# Altium PCB 中子法测量土壤水分_V1.5.PcbDoc (continued)
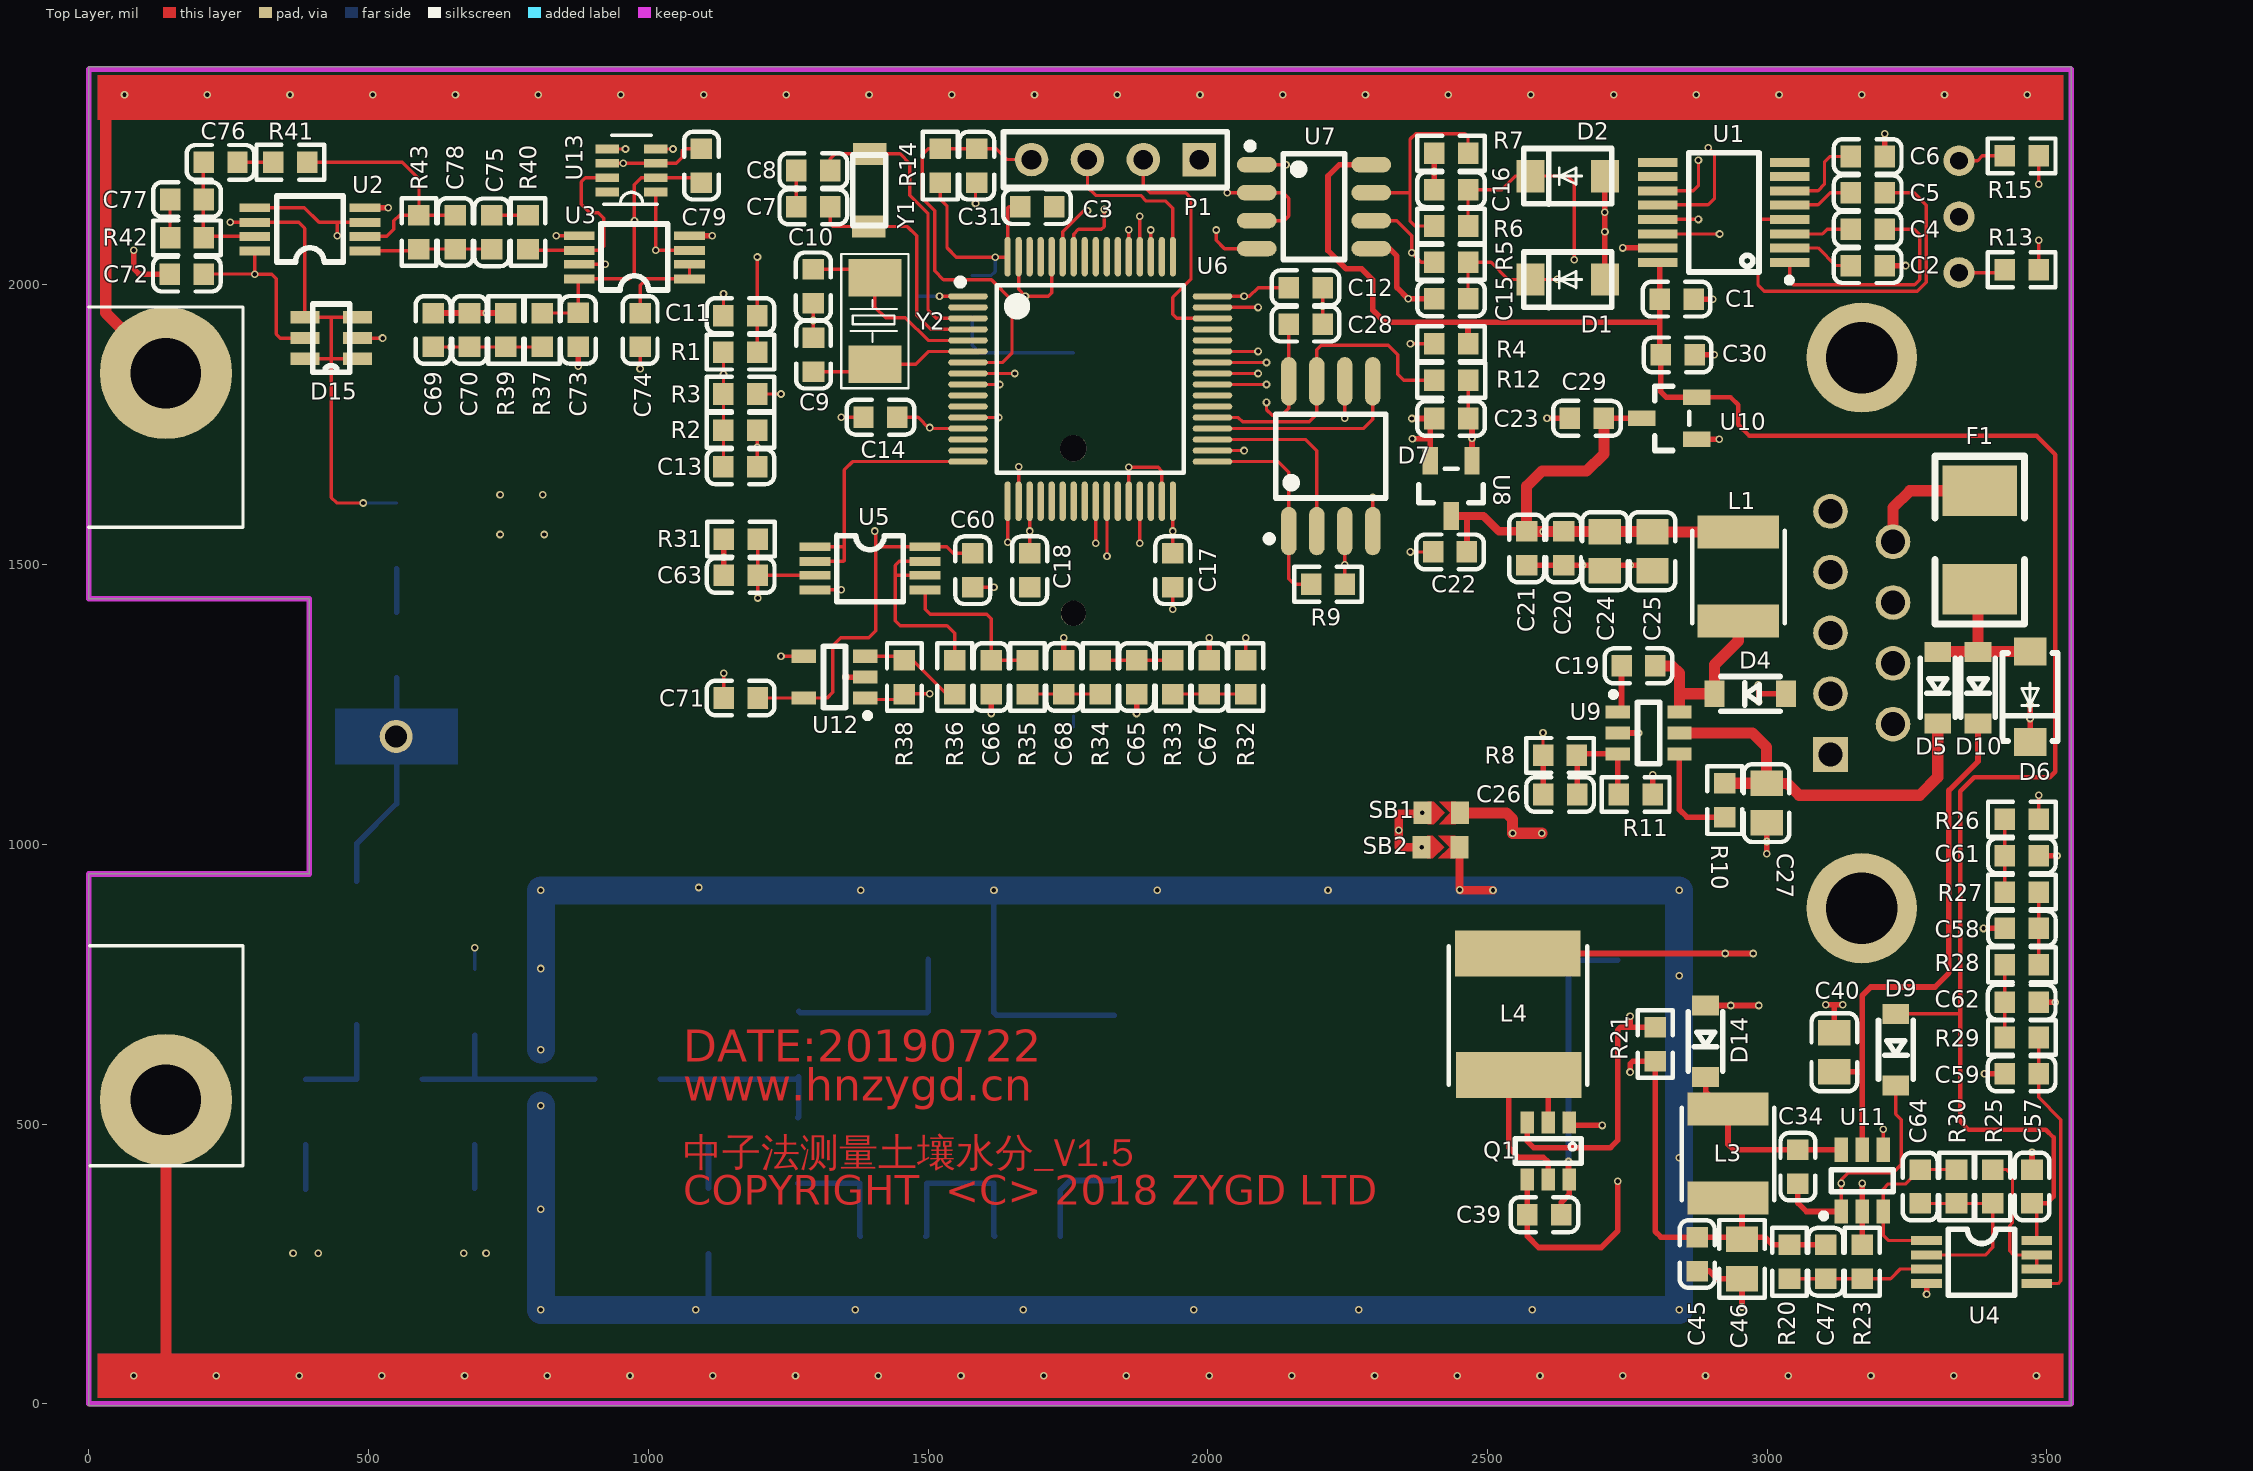
[diagram p0: Top Layer view]
## Nets (pads, with @x,y where several pads share a name; then routed paths per layer and width w, separated by ;. In a path a pad name is that pad's centre, name@x,y a point inside that pad or via, vN(x,y) a via of type N, cw(c..) or ccw(c..) an arc to the next point about the centre after c; other vN are vias at no path point)
3.3V_VCC1: C3.2 C11.2 C12.1 C14.1 C17.1 C18.1 C23.2 C28.1 C60.2 C71.2 C72.2 C73.2 C79.2 D3.1 D7.3 D7.8 D15.5 R1.2 R9.1 R14.2 R37.1 U2.8 U3.8 U5.8 U6.13 U6.19 U6.32 U6.48 U6.64 U8.2 U12.5 U13.2 | length 6806.1
  Top Layer w6: C72.2 296.18,2019.45 v1(296.5,2019.13) ; U2.8 v1(296.5,2019.13) ; D15.5 342.18,1905 335,1912.18 335,2010.95 326.82,2019.13 v1(296.5,2019.13) ; R37.1 874.68,1949.76 C73.2 ; C73.2@875,1954.76 875,2009.45 U3.8 966.5,2010.95 975,2019.45 975,2179.45 987,2191.45 U13.2 1092.32,2191.45 C79.2@1095,2194.13 ; R1.2@1194.69,1880.32 1195,1880.63 C11.2 v1(1195,2050) ; C71.2 U12.5 1320,1261.62 1330,1271.62 1330,1355 1344.02,1369.02 1394.02,1369.02 1406.77,1381.77 1406.77,1530 ; v1(1405,1560) 1406.77,1558.23 1406.77,1530 ; C14.1 1482.13,1763.64 1502.44,1743.32 U6.13 ; R14.2 1521.76,2152.87 1533.97,2140.66 1533.97,2066.03 1550.31,2049.68 v1(1620,2049.68) 1641.64,2049.68 U6.64 1642.36,2137.7 1644.66,2140 C3.2 ; C60.2 1545,1520.31 1533.31,1532 U5.8 1408.77,1532 1406.77,1530 ; C18.1 v1(1681.73,1560) U6.19 ; C17.1 v1(1937.64,1560) U6.32 ; U6.48 2074.54,1979.54 2090,1995 C12.1 ; v1(2105,1790) 2105,1777.32 2115,1767.32 2132.32,1767.32 2144.69,1779.68 C28.1 ; D7.3 v1(2245,1500) 2245,1465.31 R9.1
  Top Layer w10: v1(2365,1761.17) C23.2 2397.6,1754.09 2397.6,1725 ; v1(2365.88,1725) 2397.6,1725 ; U8.2 2397.6,1725
  Signal Layer2 w6: v1(2245,1500) 2245,1560
  Signal Layer2 w10: v1(296.5,2019.13) 296.5,2092.4 318.54,2114.45 v1(975.31,2114.45) 1027.45,2114.45 1091.9,2050 v1(1195,2050) 2054.69,2050 2065,2039.68 v1(2065,1980) 2065,1805 2080,1790 v1(2105,1790) ; v1(1405,1560) 1502.84,1560 ; v1(1502.84,1745) 1502.84,1560 ; v1@2105,1789.13 2337.04,1789.13 v1(2365,1761.17) ; v1(2365.88,1725) 2365.88,1580.88 2345,1560 2245,1560 v1(1937.64,1560) v1(1681.73,1560) 1502.84,1560
  Bottom Layer w6: D3.1 1613.03,2016.94 1620,2023.91 v1(1620,2049.68)
3.3V_VCC2: C1.1 C30.2 C57.2 D9.1 R4.1 U1.16 U4.8 U7.8 U10.2 | length 3814.4
  Top Layer w6: D9.1@3210.04,697.37 D9.1@3222.93,710.26 ; D9.1 3343.09,696.91 3345,695 ; C57.2 3482,349.58 U4.8
  Top Layer w8: U10.2 2935,1798.92 2948.34,1785.58 2948.34,1750 2968.34,1730 3481.8,1730 3515,1696.8 3515,1130 3505,1120 3370,1120 3345,1095 3345,695 3345,505 3360,490 3498,490 3512,476 3512,369.91 3500.16,358.08 C57.2
  Top Layer w10: U7.8 2235.31,2215 2215,2194.68 2215,2061.25 2247.34,2028.91 2275,2028.91 2295,2008.91 2295,1955 2316.53,1933.47 2465.31,1933.47 ; R4.1 2465.31,1933.47 ; U1.16 2807.84,2036.71 C1.1 2807.84,1933.47 ; U10.2 2820,1798.92 2809.68,1809.24 C30.2 2807.84,1876.84 2807.84,1933.47 ; 2465.31,1933.47 2807.84,1933.47
4.08V_VCC: C20.1 C21.1 C22.2 C24.2 C25.2 C26.2 C29.2 L1.2 R8.2 U8.3 U10.3 | length 1438.5
  Top Layer w6: R8.2 v1(2599.37,1199.69)
  Top Layer w10: C22.2 2463.41,1586.96 ; R8.2 2599.69,1158.77 C26.2 ; C20.1@2633.78,1559.36 C20.1@2634.57,1560.15 ; C29.2 U10.3 ; U10.3@2793.16,1761.05 2793.16,1761.52 2793.63,1761.52 U10.3@2793.16,1761.05
  Top Layer w15: U8.3 2463.41,1586.96 2493.04,1586.96 2520.64,1559.36 C21.1 ; C22.2 C22.2@2465,1524.29
  Top Layer w20: C29.2 2708.16,1698.16 2677.36,1667.36 2597.36,1667.36 2570,1640 C21.1 2570.28,1559.09 v1(2600,1559.09) C24.2 C25.2 2796,1558.09 L1.2
  Signal Layer2 w6: v1(2599.37,1199.69) v1@2599.37,1559.09
AD5245_SCL: U6.58 U13.4 | length 1016.9
  Top Layer w6: U13.4 v1(1044.22,2243.03) ; U6.58 1760.47,2090.8 1768.97,2099.3 1809.85,2099.3 1815,2104.45 v1(1815,2135)
  Signal Layer2 w6: v1(1044.22,2243.03) 1606.97,2243.03 1627.94,2222.06 1627.94,2175 1628,2175 1642.99,2160.01 1809.99,2160.01 1815,2155 v1(1815,2135)
AD5245_SDA: U6.59 U13.5 | length 1048.2
  Top Layer w6: U13.5 v1(959.22,2243.03) ; U6.59 1740.79,2095 1778.18,2132.39 v1(1785,2132.39)
  Signal Layer2 w6: v1(959.22,2243.03) 1016.3,2243.03 1035.2,2224.13 1055,2224.13 1061.9,2231.03 1602,2231.03 1615.94,2217.09 1615.94,2167.07 1635,2148.01 1777.54,2148.01 1785,2140.54 v1(1785,2132.39)
BEAT: R15.1 U6.41 | length 1846.6
  Top Layer w6: U6.41 v1(2090,1841.75) ; R15.1 3485.63,2230.4 v1(3485.63,2180)
  Signal Layer2 w6: v1(2090,1841.75) 2301.43,1841.75 2318,1858.31 2318,2162.97 2335,2179.97 ; 2335,2180 v1(3485.63,2180)
FLASH_CTRL: D7.7 R12.1 U6.37 | length 570.5
  Top Layer w6: U6.37 2055,1763.01 2062.69,1755.32 2181.23,1755.32 2195,1769.09 D7.7 2195,1884.45 2202.96,1892.4 2322.6,1892.4 2340,1875 2340,1840 2350.33,1829.67 R12.1
GND1: BT1.2 C3.1 C7.2 C8.2 C9.2 C10.2 C11.1 C12.2 C13.2 C14.2 C17.2 C22.1 C23.1 C28.2 C31.2 C41.1 C42.1 C43.1 C44.1 C60.1 C63.1 C65.2 C66.2 C67.1 C68.1 C69.2 C70.1 C71.1 C72.1 C73.1 C79.1 D7.4 D15.2 P1.1 pad.1 pad.2 R2.1 R12.2 R31.1 R39.2 SB1.1 SB2.1 U2.4 U3.4 U5.4 U6.12 U6.18 U6.28 U6.31 U6.47 U6.60 U6.63 U8.1 U12.2 U13.3 U13.6 | length 3551.5
  Top Layer w6: D15.2 v1(525,1905) ; U13.6 v1(955,2217.44) U13.3 1050,2217.44 1060.1,2227.55 1060.1,2239.55 1064.03,2243.47 C79.1 C79.1@1091.08,2239.55 ; C11.1 v1(1134.37,1984.15) ; C71.1 v1(1134.69,1305.81) ; C13.2 1194.69,1675.31 v1(1194.69,1710) 1194.69,1739.68 R2.1 ; C7.2 v1(1264.69,2172.13) C8.2 ; C10.2 v1(1295.02,1936.56) 1295.02,1905.94 C9.2 ; U5.4 v1(1345,1455) ; v1(1345,1763.64) C14.2 ; U6.12 v1(1626.11,1763.01) ; C60.1 v1(1617.84,1459.68) ; v1(1585,2145.54) 1585,2180.77 C31.2 ; U6.18 v1(1662.05,1675) ; U6.63 1662.05,1992.1 v1(1674.15,1980) 1715,1980 1721.1,1986.1 U6.60 ; U6.28 v1(1858.9,1673.9) 1911.42,1673.9 1917.95,1667.36 U6.31 ; v1(1937.64,1420.2) C17.2 ; U6.47 v1(2090,1959.86) ; C28.2 v1(2205.31,1962.5) C12.2 ; D7.4 v1(2295,1620) ; v1(2362.39,1522.7) C22.1 ; C23.1 2465.63,1761.49 v1(2465.63,1795.58) R12.2
  Top Layer w10: v1(80.31,2061.95) 80.31,2028.62 89.49,2019.45 C72.1 ; U2.4 v1(535.31,2137.95) ; C69.2 C70.1 v1(710.31,1949.76) R39.2 ; v1(875,1854.76) C73.1 ; U3.4 v1(1114.13,2087.95) ; C63.1 v1(1134.91,1513.03) 1134.91,1545.37 R31.1 ; v1(1352.84,1299.02) U12.2 ; v1(1612.84,1234.02) C66.2 ; C68.1 v1(1742.84,1369.02) ; v1(1872.84,1234.02) C65.2 ; C67.1 v1(2002.84,1369.02) ; C23.1 2472.4,1754.09 v1(2472.4,1726.17) U8.1
  Top Layer w15: v1(2382.5,995) 2341.25,995 v1(2341.25,1025) 2341.25,1055 SB1.1@2382.5,1055
  Top Layer w20: 29.99,2345 29.99,1950.32 pad.2 ; 137.8,47.8 pad.1 ; SB1.1@2382.5,1055 v1(2383.75,1056.25)
  Top Layer w30: v1(63.65,2340) v1@63.65,2342.91
  Signal Layer2 w10: v1(735,1553.82) v1(813.82,1553.82) ; v1(735,1625) v1(811.22,1625)
  Bottom Layer w6: BT1.2@1760,1210 BT1.2
  other v1: 80,50 227.88,50 375.77,50 523.65,50 671.54,50 819.42,50 967.31,50 1115.19,50 1263.08,50 1410.96,50 1558.85,50 1706.73,50 1854.62,50 2002.5,50 2150.38,50 2298.27,50 2446.15,50 2594.04,50 2741.92,50 2889.81,50 3037.69,50 3185.58,50 3333.46,50 3481.35,50 365,269.17 410,269.17 670,269.29 710,269.29 211.54,2340 359.42,2340 507.31,2340 655.19,2340 803.08,2340 950.96,2340 1098.85,2340 1246.73,2340 1394.62,2340 1542.5,2340 1690.38,2340 1838.27,2340 1986.15,2340 2134.04,2340 2281.92,2340 2429.81,2340 2577.69,2340 2725.58,2340 2873.46,2340 3021.35,2340 3169.23,2340 3317.12,2340 3465,2340
GND2: C1.2 C2.1 C6.2 C15.2 C16.1 C20.2 C21.2 C24.1 C25.1 C27.1 C29.1 C30.1 C40.1 C45.2 C46.1 C57.1 C58.2 C59.2 C61.1 C62.1 D1.1 D2.1 D4.1 D6.2 D8.2 D14.1 DSUB1.5 DSUB1.10 DSUB1.11 L4.1 R7.2 R11.1 R23.1 SB1.2 U1.15 U4.4 U7.5 U9.2 U10.1 U11.2 | length 2426.9
  Top Layer w10: U7.5 2325,2065 2338.23,2051.77 2338.23,1995.35 v1(2358.25,1975.33) C15.2 ; C16.1 v1(2404.68,2202.83) R7.2 ; L4.1 v1(2925,804.91) v1(2975,804.91) ; C21.2 C20.2 v1(2670,1498.73) v1(2755,1498.73) 2785.28,1498.73 C25.1 ; v1(2606.52,1761.52) C29.1 ; D1.1 v1(2709.8,2130) D2.1 ; U9.2@2736.85,1199.09 v1(2770,1199.09) ; v1(2741.92,2066.13) U1.15 ; R11.1 v1(2795.31,1124.31) ; C1.2 v1(2902.53,1974.63) ; C30.1 v1(2905.32,1875) ; U10.1 v1(2914.51,1724.12) ; C45.2 2896.54,237.28 2910,223.83 C46.1 v1(2955,172.91) ; D14.1 v1(2935,711.91) v1(2985,711.91) ; v1(2984.09,1285) 2985,1284.09 2985,1269.54 ; v1@2985.91,1255 v1(2985,1255) 2985,1269.54 ; v1(2999.09,983.17) v1(2999.09,1005) C27.1 ; D4.1 2985.46,1269.09 2985,1269.54 ; v1(3105,713.37) 3120,713.37 ; C40.1 3120.04,713.33 3120,713.37 ; v1(3135,713.37) 3120,713.37 ; R23.1 U11.2 U11.2 3170,393.83 v1(3169.96,393.87) ; C6.2 v1(3210,2270.29) ; C2.1@3212.84,2034.63 v1(3247.53,2034.63) ; v1(3285,195.89) U4.4 ; v1(3386.82,849.73) C58.2 ; v1(3388.63,589.73) C59.2 ; D6.2 v1(3470,1225) v1(3470,1250) ; C57.1 v1(3473.5,449.39) ; C62.1 v1(3515,717.91) ; C61.1 v1(3518.18,979.73)
  Top Layer w20: SB1.2 2533.75,1056.25 2545,1045 v1(2545,1020) v1(2597.36,1020) ; D1.1@2708.5,2010.93 D1.1
  other v1: 2710,2095.33
GND3: C48.2 C51.1 C52.1 D13.1 L2.9 SB2.2 | length 6143.3
  Top Layer w15: SB2.2 2450,919.12 2451.25,917.87 v1(2510,917.87)
  Bottom Layer w10: 1105,167.87 1107.66,170.54 C52.1 ; v1(1617.84,917.87) 1617.65,917.68 C48.2 D13.1 1622.37,694.45 L2.9
  Bottom Layer w50: v1(807.84,532.91) v1(807.84,167.87) v1(2842.84,167.87) v1(2842.84,917.87) v1(807.84,917.87) v1(807.84,632.91)
  other v1: 1085,167.87 1370,167.91 1670,167.87 1975,167.87 2270,167.87 2580,167.87 807.84,347.91 2842.84,440 2842.84,765 807.84,777.91 1380,917.87 1910,917.87 2215,917.87 2450.63,918.5 1090,922.91
HIGH_VOLTAGE_TEST: U5.1 U5.2 U6.16 | length 494.7
  Top Layer w6: U5.2 1349,1506 1350,1507 1350,1532 ; U5.1 1350,1532 ; U6.16 1365,1684.27 1350,1669.27 1350,1532
NetBT1_1: BT1.1 D3.2 | length 236.4
  Bottom Layer w6: D3.2 1579.21,1891.9 1592.29,1878.82 BT1.1
NetC2_2: C2.2 U1.2 | length 124.6
  Top Layer w6: U1.2 3091.03,2066.13 3122.53,2034.63 C2.2 C2.2@3152.21,2034.63
NetC4_1: C4.1 U1.1 | length 415.5
  Top Layer w6: U1.1 3040.64,2006.52 3046.58,2000.58 3263.47,2000.58 3272.53,2009.63 3272.53,2089.63 3262.53,2099.63 C4.1@3212.84,2099.63
NetC4_2: C4.2 U1.3 | length 115.1
  Top Layer w6: U1.3 3099.03,2091.13 3107.53,2099.63 C4.2 C4.2@3152.21,2099.63
NetC5_1: C5.1 U1.4 | length 701.4
  Top Layer w6: U1.4 2990.03,2117.13 2983.78,2110.88 2983.78,1999.8 2995,1988.58 3268.44,1988.58 3284.53,2004.66 3284.53,2142.63 3262.53,2164.63 C5.1@3212.84,2164.63
NetC5_2: C5.2 U1.5 | length 120.5
  Top Layer w6: U1.5 3091.03,2143.13 3112.53,2164.63 C5.2 C5.2@3152.21,2164.63
NetC6_1: C6.1 U1.6 | length 160.5
  Top Layer w6: U1.6 3091.03,2168.13 3102.53,2179.63 3102.53,2219.63 3112.53,2229.63 C6.1 C6.1@3152.21,2229.63
NetC7_1: C7.1 U6.4 Y1.2 | length 437.7
  Top Layer w6: C7.1 1325.31,2110 1330.87,2104.45 Y1.2 1463.34,2104.45 1480,2087.78 1480,1945.49 1505,1920.49 U6.4
NetC8_1: C8.1 U6.3 Y1.1 | length 526.6
  Top Layer w6: C8.1 1325.31,2225.64 1333.87,2234.2 Y1.1 1449.94,2234.2 1467.42,2216.71 1467.42,2160 1500,2127.42 1500,1955.17 1515,1940.17 U6.3
NetC9_1: C9.1 U6.6 Y2.1 | length 291.1
  Top Layer w6: C9.1 1391.87,1845 Y2.1 1478.13,1858.13 1501.12,1881.12 U6.6
NetC10_1: C10.1 U6.5 Y2.2 | length 359.7
  Top Layer w6: C10.1 1389.72,2027.81 Y2.2 1405.04,1960.29 1424.2,1941.13 1459.67,1941.13 1500,1900.8 U6.5
NetC13_1: C13.1 R1.1 R2.2 R3.2 U6.8 | length 812
  Top Layer w6: R2.2@1132.21,1745 R2.2@1134.37,1745 ; C13.1 R2.2@1134.37,1745 ; R1.1 v1(1134.37,1840) R2.2@1134.37,1745 ; U6.8 v1(1655,1841.75)
  Signal Layer2 w6: v1(1134.37,1840) 1136.12,1841.75 v1(1655,1841.75)
NetC19_1: C19.1 D4.2 L1.1 U9.6 | length 326.3
  Top Layer w20: C19.1 2830,1319.09 2843.14,1305.94 U9.6 ; 2845,1269.09 D4.2 2906,1321.04 2948.34,1363.38 L1.1
NetC19_2: C19.2 U9.1 | length 83.8
  Top Layer w10: U9.1@2736.85,1236.49 2739.68,1239.33 C19.2
NetC26_1: C26.1 R8.1 R11.2 U9.3 | length 221.4
  Top Layer w10: C26.1 2660.32,1158.77 R8.1 2662.6,1161.69 U9.3@2736.85,1161.69 ; U9.3 2732.91,1090.86 R11.2
NetC27_2: C27.2 D5.2 R10.2 U9.5 | length 730.5
  Top Layer w20: U9.5 2974.09,1199.09 2999.09,1174.09 C27.2 ; R10.2 2998.81,1109.17 C27.2 ; D5.2 3305,1120 3272.91,1087.91 3057.09,1087.91 3036.11,1108.89 C27.2
NetC32_1: C32.1 D11.2 R19.2 | length 206.6
  Bottom Layer w10: R19.2 1375.01,394.21 1376.35,392.87 D11.2 1377.65,300.51 C32.1
NetC32_2: C32.2 C33.1 D12.1 D13.2 | length 311.1
  Bottom Layer w10: C32.2 1497.65,300.51 D12.1 D13.2 1617.65,300.51 C33.1
NetC33_2: C33.2 L2.8 | length 185.9
  Bottom Layer w10: C33.2 1736.31,381.34 1754.14,399.17 L2.8
NetC34_1: C34.1 D9.2 U11.1 | length 439.3
  Top Layer w6: U11.1 v1(3132.6,393.87) 3132.6,400.51 3145,412.91 3225.21,412.91 3240,427.7 3240,507.91 3230,517.91 D9.2
  Top Layer w10: C34.1 3055,358.87 3070.12,343.75 U11.1
NetC34_2: C34.2 D14.2 L3.2 U11.6 | length 348.6
  Top Layer w10: D14.2 2890,557.91 2921.04,526.87 L3.2 2930.04,463.83 2939.68,454.18 C34.2 3132.4,454.18 U11.6
NetC35_1: C35.1 C36.1 C41.2 C42.2 | length 79.3
  Bottom Layer w10: C42.2@387.66,383.66 C42.2 C36.1
NetC35_2: C35.2 C36.2 R16.2 R18.1 | length 189
  Bottom Layer w10: C36.2 R18.1 R16.2
NetC37_1: C37.1 C38.1 C43.2 C44.2 | length 77.7
  Bottom Layer w10: C43.2 C38.1
NetC37_2: C37.2 C38.2 R17.1 R18.2 R24.1 | length 386.3
  Bottom Layer w10: R18.2 C38.2 ; R24.1 C38.2 ; R17.1 C38.2
NetC39_1: C39.1 L2.1 Q1.6 | length 535.4
  Top Layer w10: C39.1@2632,344.17 2632,359.96 2646.17,374.13 Q1.6 2645,401.74 v1(2645,432.91)
  Bottom Layer w10: v1(2645,432.91) 2645,780.07 2657.8,792.87 L2.1
NetC39_2: C39.2 L2.5 Q1.4 | length 369.4
  Top Layer w10: C39.2@2568.81,341.61 2571.37,344.17 Q1.4 ; C39.2 2571.49,299.4 2591.5,279.39 2703.4,279.39 2732.88,308.87 v1(2732.88,397.91)
NetC40_2: C40.2 D10.2 U11.5 | length 965
  Top Layer w10: C40.2 3170,593.33 ; U11.5 3170,593.33 ; D10.2 3377,1148.21 3325,1096.21 3325,770 3300,745 3185.14,745 3170,729.86 3170,593.33
NetC45_1: C45.1 C46.2 C47.2 L2.3 L3.1 R20.1 R21.2 | length 768.5
  Top Layer w10: v1(2755,592.91) 2755,607.6 2760,612.6 R21.2 2800,307.91 2810,297.91 C45.1 C46.2@2955,297.91 ; L3.1@2915,374.37 L3.1@2919.96,369.41 ; L3.1 2955,342.91 C46.2@2955,297.91 ; C47.2 R20.1 3009.65,284.18 2995.91,297.91 C46.2@2955,297.91
NetC47_1: C47.1 R20.2 R23.2 U4.3 | length 252.2
  Top Layer w6: R20.2 R23.2 3220.64,223.55 3237.98,240.89 U4.3
NetC48_1: C48.1 D11.1 D12.2 R22.2 | length 325.7
  Bottom Layer w10: R22.2 1271.35,699.17 D11.1 D12.2 1500.32,701.85 C48.1
NetC49_1: C49.1 C50.1 C51.2 C52.2 | length 77.7
  Bottom Layer w10: C52.2 C50.1
NetC49_2: C49.2 C50.2 R17.2 R19.1 R22.1 | length 322.5
  Bottom Layer w10: R17.2 C50.2 1265.01,580.24 R22.1 1268.98,512.86 R19.1
NetC53_1: C53.1 C54.1 C55.2 C56.2 | length 77.7
  Bottom Layer w10: C54.1 C56.2
NetC53_2: C53.2 C54.2 R16.1 TEST1.1 | length 393.4
  Bottom Layer w10: R16.1 479,1001.91 550,1072.91 C54.2
NetC55_1: C55.1 C56.1 C77.1 D15.1 D15.3 D15.4 D15.6 R42.1 U2.6 | length 1108.8
  Top Layer w6: R42.1 v1(145,2118.44) C77.1 C77.1@146.38,2154.13 ; v1(252.5,2111.95) U2.6 375,2111.95 386,2100.95 D15.4 433,1942 ; D15.6 433,1868 ; D15.1 433,1868 ; D15.3 433,1942 ; v1(490.24,1610.24) 442.76,1610.24 433,1620 433,1868 ; 433,1868 433,1942
  Signal Layer2 w6: v1(145,2118.44) 151.49,2111.95 v1(252.5,2111.95)
  Bottom Layer w6: v1(490.24,1610.24) C56.1
NetC58_1: C58.1 R27.1 R28.2 | length 130
  Top Layer w6: R28.2 R27.1
NetC59_1: C59.1 R29.1 U4.5 | length 496.5
  Top Layer w6: U4.5 3520,214.89 3525,219.89 3525,507.91 3485.32,547.6 C59.1 3485.32,654.41 R29.1
NetC61_2: C61.2 R26.1 R27.2 | length 130
  Top Layer w6: R27.2 R26.1
NetC62_2: C62.2 R28.1 R29.2 | length 130
  Top Layer w6: R29.2 R28.1
NetC63_2: C63.2 R24.2 R31.2 U5.3 | length 1359.4
  Top Layer w6: v1(1195.54,1440.32) C63.2 ; R31.2 1195.85,1481 U5.3 U5.3@1295.34,1478.5
  Signal Layer2 w6: v1(690,815) 690,995 710,1015 1180,1015 1195.54,1030.54 v1(1195.54,1440.32)
  Bottom Layer w6: R24.2 v1(690,815)
NetC64_1: C64.1 R30.1 U4.1 U11.3 | length 309.6
  Top Layer w6: U4.1 3216.66,291.89 3207.4,301.15 U11.3 3207.4,383.66 3216.66,392.91 3247.71,392.91 C64.1 R30.1
NetC64_2: C64.2 R25.1 R30.2 U4.2 | length 332.8
  Top Layer w6: C64.2 R30.2 R25.1 3403.5,279.39 3390,265.89 U4.2
NetC65_1: C65.1 R33.1 R34.2 | length 130
  Top Layer w6: R34.2 R33.1
NetC66_1: C66.1 R35.1 U5.5 | length 298.8
  Top Layer w6: U5.5 1494.84,1420 1503.81,1411.03 1605,1411.03 1612.84,1403.18 C66.1 R35.1
NetC67_2: C67.2 R32.1 R33.2 | length 130
  Top Layer w6: R33.2 R32.1
NetC68_2: C68.2 R34.1 R35.2 | length 130
  Top Layer w6: R35.2 C68.2 R34.1
NetC69_1: C69.1 C70.2 R37.2 R39.1 U2.3 U2.5 U3.5 | length 1058
  Top Layer w6: U2.5 385.31,2137.95 411.31,2111.95 444.13,2111.95 ; v1(444.13,2087.95) 444.13,2111.95 ; U2.3 444.13,2111.95 ; C69.1 v1(647.81,1889.13) C70.2 R37.2 ; v1(835.31,2087.95) U3.5
  Signal Layer2 w6: v1(444.13,2087.95) 647.81,2087.95 ; v1(647.81,1889.13) 647.81,2087.95 ; v1(835.31,2087.95) 647.81,2087.95
NetC74_2: C74.2 U3.1 U3.2 | length 168.7
  Top Layer w6: C74.2 985.31,1999.53 996.73,2010.95 U3.1 U3.2
NetC75_1: C75.1 C78.1 R43.2 U2.1 | length 227.8
  Top Layer w6: U2.1 586.81,2060.95 R43.2 C78.1 C75.1@720,2064.13
NetC75_2: C75.2 R40.1 | length 64.8
  Top Layer w6: C75.2 720.63,2124.76 R40.1
NetC76_1: C76.1 C77.2 R42.2 U2.7 | length 226.8
  Top Layer w6: C76.1 204.26,2218.39 204.26,2085.5 205.7,2086.95 U2.7
NetC76_2: C76.2 R41.1 | length 64.2
  Top Layer w6: C76.2 329.37,2219.13 R41.1
NetC78_2: C78.2 R41.2 R43.1 U2.2 | length 462.7
  Top Layer w6: R41.2 560,2219.45 590,2189.45 R43.1 ; U2.2 532.5,2086.95 545,2099.45 545,2114.45 555.31,2124.76 R43.1 ; C78.2 R43.1
NetD8_1: D8.1 R15.2 | length 85.3
  Top Layer w6: D8.1 3376.07,2222.05 3384.74,2230.72 R15.2
NetD8_3: D8.3 R13.2 | length 83.7
  Top Layer w6: D8.3 3419.71,2022.05 R13.2
NetL2_2: L2.2 Q1.3 R21.1 | length 491.5
  Top Layer w10: Q1.3 2571.37,469.07 2582.53,457.91 2720,457.91 2732.84,470.76 2732.84,667.91 2738.16,673.23 2755,673.23 ; v1(2755,692.91) 2755,673.23 ; R21.1 2755,673.23
NetL2_4: L2.4 Q1.1 | length 61.1
  Top Layer w10: Q1.1 2651.55,497.6 v1(2705,497.6)
NetL4_2: L4.2 Q1.2 Q1.5 | length 347.3
  Top Layer w10: L4.2 2538.16,570.48 2538.16,457.91 2555.63,440.44 2600,440.44 2608.77,431.67 Q1.5 ; Q1.2 L4.2@2608.77,600.51
NetR4_2: R4.2 R5.1 U7.6 | length 445.3
  Top Layer w6: U7.6 2338.23,2115 2365,2088.23 v1(2365,2057.29) 2381.96,2040.33 R5.1 R5.1@2399.69,2045.33 ; v1(2362.39,1895) R4.2
  Signal Layer2 w6: v1(2362.39,1895) 2395,1895 2404.68,1904.68 2404.68,2050.32 2397.71,2057.29 v1(2365,2057.29)
NetR6_1: R6.1 R7.1 U7.7 | length 415.4
  Top Layer w6: U7.7 2361.51,2165 ; R6.1@2394.69,2095.33 R6.1 2371.18,2105.33 2361.51,2115 2361.51,2165 ; R7.1 2465.31,2265.01 2460,2270.33 2371.84,2270.33 2361.51,2260 2361.51,2165
NetR10_1: R10.1 U9.4 | length 186.3
  Top Layer w10: U9.4 2843.14,1061.85 2856.46,1048.54 R10.1
NetR25_2: R25.2 U4.6 U4.7 | length 253.1
  Top Layer w6: R25.2 3428.5,418.71 3438.5,408.71 3438.5,323.39 3433.5,318.39 3433.5,273.39 3441,265.89 U4.7 U4.6
NetR36_1: R36.1 R38.2 U12.3 | length 187.9
  Top Layer w6: U12.3 1450.76,1336.42 R38.2 1472.53,1329.33 1533.16,1268.7 R36.1
NetR36_2: R36.2 U5.6 U5.7 | length 373.4
  Top Layer w6: U5.6 1443.84,1481 1441.34,1483.5 ; U5.7 1448.84,1506 1441.34,1498.5 1441.34,1483.5 ; R36.2 1547.84,1377.16 1533.97,1391.03 1450.31,1391.03 1441.34,1400 1441.34,1483.5
NetR40_2: R40.2 U3.6 U13.7 | length 329
  Top Layer w6: R40.2 787.18,2061.95 U3.6 913.13,2061.95 920.31,2069.13 920.31,2119.13 910.31,2129.13 895.31,2129.13 880.31,2144.13 880.31,2184.13 887.64,2191.45 U13.7
NetU3_3: U3.3 U3.7 U13.1 | length 311.3
  Top Layer w6: U3.7 v1(923.13,2036.95) ; U13.1 v1(1013.3,2061.95) U3.3
  Signal Layer2 w6: v1(923.13,2036.95) 960.31,2036.95 985.31,2061.95 v1(1013.3,2061.95)
NRST: C31.1 P1.4 R14.1 U6.7 | length 765.3
  Top Layer w6: U6.7 1633.79,1861.43 1650,1877.64 1650,1972.94 1613.49,2009.45 1527.55,2009.45 1512,2025 1512,2132.39 1489.39,2155 1489.39,2232.86 1500,2243.47 R14.1 C31.1 1622.25,2243.47 1641.59,2224.13 P1.4
PWM1: R26.2 U6.26 | length 2224.5
  Top Layer w6: U6.26 1820,1612.93 v1(1820,1515) ; R26.2 v1(3485.63,1087.91)
  Signal Layer2 w6: v1(1820,1515) 1820,1105 1837.09,1087.91 v1(3485.63,1087.91)
PWM2: R32.2 U6.29 | length 459.1
  Top Layer w6: v1(1878.58,1538.03) U6.29 ; R32.2 v1(2067.84,1369.02)
  Signal Layer2 w6: v1(1878.58,1538.03) 1878.58,1406.42 1895,1390 2060,1390 2067.84,1382.16 v1(2067.84,1369.02)
RS232_RX: DSUB1.2 U1.13 | length 1135.7
  Top Layer w6: U1.13 v1(2877.22,2117.13)
  Signal Layer2 w6: v1(2877.22,2117.13) 2877.22,2080 2887.22,2070 3015,2070 3028,2057 3028,1282 3040.7,1269.3 DSUB1.2
RS232_TX: DSUB1.3 U1.14 | length 1006
  Top Layer w6: U1.14 v1(2915,2091.13)
  Signal Layer2 w6: v1(2915,2091.13) 3023.5,2091.13 3040,2074.63 3040,1388.66 3050.7,1377.96 DSUB1.3
RS458_USART3_CTRL: U6.53 U7.2 U7.3 | length 490.7
  Top Layer w6: U6.53 v1(1858.9,2098.9) ; v1(2035,2165) U7.2 2134.63,2165 2145,2154.63 2145,2123.23 2136.77,2115 U7.3
  Signal Layer2 w6: v1(1858.9,2098.9) 1858.9,2153.9 1870,2165 v1(2035,2165)
RS-485A: C15.1 D1.2 DSUB1.6 R5.2 | length 1622
  Top Layer w6: C15.1 R5.2 2506.46,2040.33 2537.16,2009.63 D1.2 2624.63,2009.63 v1(2625,2010)
  Signal Layer2 w6: v1(2625,2010) 2985,2010 3004,1991 3004,1221 3015,1210 3220.03,1210 DSUB1.6
RS-485B: C16.2 D2.2 DSUB1.7 R6.2 | length 1862
  Top Layer w6: R6.2 C16.2 2525.7,2170.33 2550,2194.63 D2.2 2643.21,2194.63 2655,2182.84 v1(2655,2045)
  Signal Layer2 w6: v1(2655,2045) 2985,2045 3016,2014 3016,1235.97 3029.97,1222 3156.55,1222 3168.57,1234.02 3168.57,1312.2 3180,1323.63 DSUB1.7
RUNING: R13.1 U6.40 | length 1922.6
  Top Layer w6: U6.40 v1(2105,1822.06) ; R13.1 3485.63,2027.33 v1(3485.63,2080)
  Signal Layer2 w6: v1(2105,1822.06) 2317.06,1822.06 2330,1835 2330,2158 2340,2168 3257,2168 3285,2140 3285,2100 3305,2080 v1(3485.63,2080)
SDI-12: DSUB1.1
SHDN: U6.25 U11.4 | length 2746.2
  Top Layer w6: v1(1799.84,1538.03) U6.25 ; U11.4 v1(3207.4,490.77)
  Signal Layer2 w6: v1(1799.84,1538.03) 1799.84,1085.16 1810,1075 3290,1075 3310,1055 3310,505 3295.77,490.77 v1(3207.4,490.77)
SIGNAL_DOWN: R38.1 U6.17 U12.1 | length 594.5
  Top Layer w6: U12.1@1387.96,1259.02 1448.16,1259.02 R38.1 1458.16,1269.02 v1(1502.84,1269.02) ; v1(1642.36,1540) U6.17
  Signal Layer2 w6: v1(1502.84,1269.02) 1627.94,1269.02 1642.36,1283.44 v1(1642.36,1540)
SIGNAL_OUT: C74.1 R3.1 U6.9 U12.4 | length 1342.1
  Top Layer w6: v1(985.31,1850.31) C74.1 ; R3.1 v1(1237.16,1805) ; v1(1237.16,1336.03) 1277.33,1336.03 U12.4 ; U6.9 v1(1627.94,1822.06)
  Signal Layer2 w6: v1(985.31,1850.31) 985.31,1814.09 994.4,1805 v1(1237.16,1805) ; v1(1237.16,1336.03) v1(1237.16,1805) ; v1(1627.94,1822.06) 1627.94,1812.94 1620,1805 v1(1237.16,1805)
SPI1_MISO: D7.2 U6.35 | length 338.4
  Top Layer w6: U6.35 2175,1723.64 2195,1703.64 D7.2
SPI1_MOSI: D7.5 U6.36 | length 361.1
  Top Layer w6: U6.36 2278.32,1743.32 2295,1760 D7.5
SPI1_NSS: D7.1 R9.2 U6.33 | length 378.3
  Top Layer w6: U6.33 2125.73,1684.27 2145,1665 D7.1 2145,1475 2155,1465 R9.2
SPI1_SCK: D7.6 U6.34 | length 354.4
  Top Layer w6: U6.34 v1(2065,1703.95) ; v1(2245,1761.52) D7.6
  Signal Layer2 w6: v1(2065,1703.95) 2235,1703.95 2245,1713.95 v1(2245,1761.52)
SWCLK: P1.3 U6.49 | length 304.3
  Top Layer w6: P1.3 1785,2175 1800,2160 1880,2160 1890,2150 1925,2150 1937.64,2137.36 U6.49
SWDIO: P1.2 U6.46 | length 436.1
  Top Layer w6: P1.2 1885,2177.03 1897.4,2164.63 1960.37,2164.63 1970,2155 1970,2010 1937.64,1977.64 1937.64,1947.36 1944.83,1940.17 U6.46
USART1_RX: U1.12 U6.43 | length 1421.1
  Top Layer w6: U6.43 v1(2090,1881.12) ; U1.12 2894.32,2143.13 2906,2154.82 2906,2234 v1(2895,2245)
  Signal Layer2 w6: v1(2090,1881.12) 2156.12,1881.12 2173,1898 2173,2209.97 2208.03,2245 v1(2895,2245)
USART1_TX: U1.11 U6.42 | length 1341.1
  Top Layer w6: U6.42 v1(2105,1861.43) ; U1.11 2868.13,2168.13 2877.22,2177.22 v1(2877.22,2222.78)
  Signal Layer2 w6: v1(2105,1861.43) 2169.43,1861.43 2185,1877 2185,2205 2213,2233 2867,2233 v1(2877.22,2222.78)
USART3_RX: U6.52 U7.1 | length 468.4
  Top Layer w6: U6.52 v1(1878.58,2122.92) ; U7.1 v1(2140,2215)
  Signal Layer2 w6: v1(1878.58,2122.92) 2122.92,2122.92 2140,2140 v1(2140,2215)
USART3_TX: U6.51 U7.4 | length 268.1
  Top Layer w6: U6.51 v1(1898.27,2098.27) ; v1(2015,2098.27) 2015,2080 2030,2065 U7.4
  Signal Layer2 w6: v1(1898.27,2098.27) v1(2015,2098.27) v1@2021.36,2098.27
VBAT-3V: D3.3 U6.1 | length 90.7
  Top Layer w6: v1(1520.46,1979.54) U6.1
  Bottom Layer w6: D3.3 v1(1520.46,1979.54)
VCC_6V~20V: D5.1 D6.1 D10.1 F1.2 | length 278.5
  Top Layer w20: D5.1 3305.7,1344.7 D10.1@3377,1344.7 ; D10.1 D10.1@3377,1344.7 ; F1.2 3377,1453 D10.1@3377,1344.7 ; D6.1 D10.1@3377,1344.7
VIN_7V~20V: DSUB1.9 F1.1 | length 228.5
  Top Layer w20: DSUB1.9 3225,1602 3255,1632 F1.1
pads on no net: BT1.0 C18.2 DSUB1.4 DSUB1.8 L2.6 L2.7 L2.10 U1.7 U1.8 U1.9 U1.10 U6.2 U6.10 U6.11 U6.14 U6.15 U6.20 U6.21 U6.22 U6.23 U6.24 U6.27 U6.30 U6.38 U6.39 U6.44 U6.45 U6.50 U6.54 U6.55 U6.56 U6.57 U6.61 U6.62 U13.8

## Polygon pours and split planes (outlines as drawn)
GND1 on Bottom Layer "Signal Layer 2-No Net" (solid, pour order 18): 10,2285 2235,2285 2235,1920 2504.95,1920 2505.03,955 780,955 780,1680 300,1680 300,2010 10,2010
GND2 on Bottom Layer "Signal Layer 2-No Net" (solid, pour order 4): 2245,2285 2245,1930 2515,1930 2515,955 2880,955 2880,100 3535,100 3535,2285
GND1 on Signal Layer1 "Signal Layer 2-No Net" (solid, pour order 16): 10,2000 290,2000 290,1681.99 290,1670.08 769.92,1670.08 770,1670 770,100 10,100 10,940 398.82,940 400,940 400,1445 10,1445
GND1 on Signal Layer1 "Signal Layer 2-No Net" (solid, pour order 10): 10,2285 2235,2285 2235,1920 2505,1920 2505,955 780,955 780,1680 300,1680 300,1980 300,2000 300,2010 10,2010
GND2 on Signal Layer1 "Signal Layer 2-No Net" (solid, pour order 12): 2245,2285 3535,2285 3535,100 2880,100 2880,955 2515,955 2515,1929.89 2245,1930.08
GND3 on Signal Layer1 "Signal Layer 2-No Net" (solid, pour order 0): 780,945 2870,945 2870,100 780,100

## Keep-outs
Keep-Out Layer:
  lines w10: 393.7,947.01 393.7,1439.13 0,1439.13 0,2385.83 3543.31,2385.83 3543.31,0 0,0 0,947.01 393.73,947.01

## Other copper
Top Layer:
  region net GND1: 3530,2375 15,2375 15,2295 3530,2295
  rectangle net GND1: 15,10 3530,90
  text "DATE:20190722" at 1062.84,592.91 h98.43
  text "www.hnzygd.cn" at 1062.84,522.91 h98.43
  text "中子法测量土壤水分_V1.5" at 1062.84,407.91 h86.61
  text "COPYRIGHT  <C> 2018 ZYGD LTD" at 1062.84,337.91 h90.55
Signal Layer1:
  pour cut-out: 550,1127.91 cw(c550,1192.91) 485,1192.91 cw(c550,1192.91) 550,1257.91 cw(c550,1192.91) 615,1192.91 cw(c550,1192.91)
  pour cut-out: 550,1127.91 cw(c550,1192.91) 485,1192.91 cw(c550,1192.91) 550,1257.91 cw(c550,1192.91) 615,1192.91 cw(c550,1192.91)
Bottom Layer:
  region net GND1: 3530,2375 15,2375 15,2295 3530,2295
  rectangle net GND1: 15,10 3530,90
  rectangle net NetC53_2: 440,1142.76 660,1242.76
  pour cut-out: 550,1192.91 505,1147.91 505,1147.76
Multi-Layer:
  pour cut-out: 1390,990 1380,1000 515,1000 515,1760 540,1735 1330,1735 1330,1060 1380,1010 1380,1035 1375,1035 1335,1075
  pour cut-out: 945,1420.2 960,1405.2 960,1400 1020,1340 1020,1210 900,1210 765,1345 765,1538.03 896.11,1538.03 995,1439.13 940,1384.13 940,1285 970,1285 1020,1235

## Silkscreen, mask and mechanical layers (free items; w line width, h text height)
Top Overlay:
  lines w6: 0,1566.93 275.59,1566.93 275.59,1960.63 0,1960.63 ; 0.98,818.9 275.59,818.9 275.59,425.2 2.28,425.2
Top Solder:
  region: 3530,2375 15,2375 15,2295 3530,2295
  rectangle: 15,10 3530,90
Bottom Solder:
  rectangle: 440,1142.76 660,1242.76
  region: 3530,2375 15,2375 15,2295 3530,2295
  rectangle: 15,10 3530,90
  lines w50: 807.84,532.87 807.84,167.87 2842.84,167.87 2842.84,917.87 807.84,917.87 807.84,632.87

## Text inside footprints (layer, text, board x,y; h text height)
DSUB1: Bottom Overlay "1" at 3129.1,1092.95 h30 r90; Bottom Overlay "5" at 3134.1,1672.95 h30 r90; Bottom Overlay "9" at 3249.1,1622.95 h30 r90; Bottom Overlay "6" at 3239.1,1167.95 h30 r90